# Altium PCB ir-24v-shit5-7.PcbDoc (part 4 of 6)
Units mm, origin at the board's own origin, x right, y up, seen from the top; angles counter-clockwise.
Board outline 326.8 x 258 mm, 2 copper layers (Top Layer, Bottom Layer); 1190 components, 31 nets, 3220 pads, 0 vias.
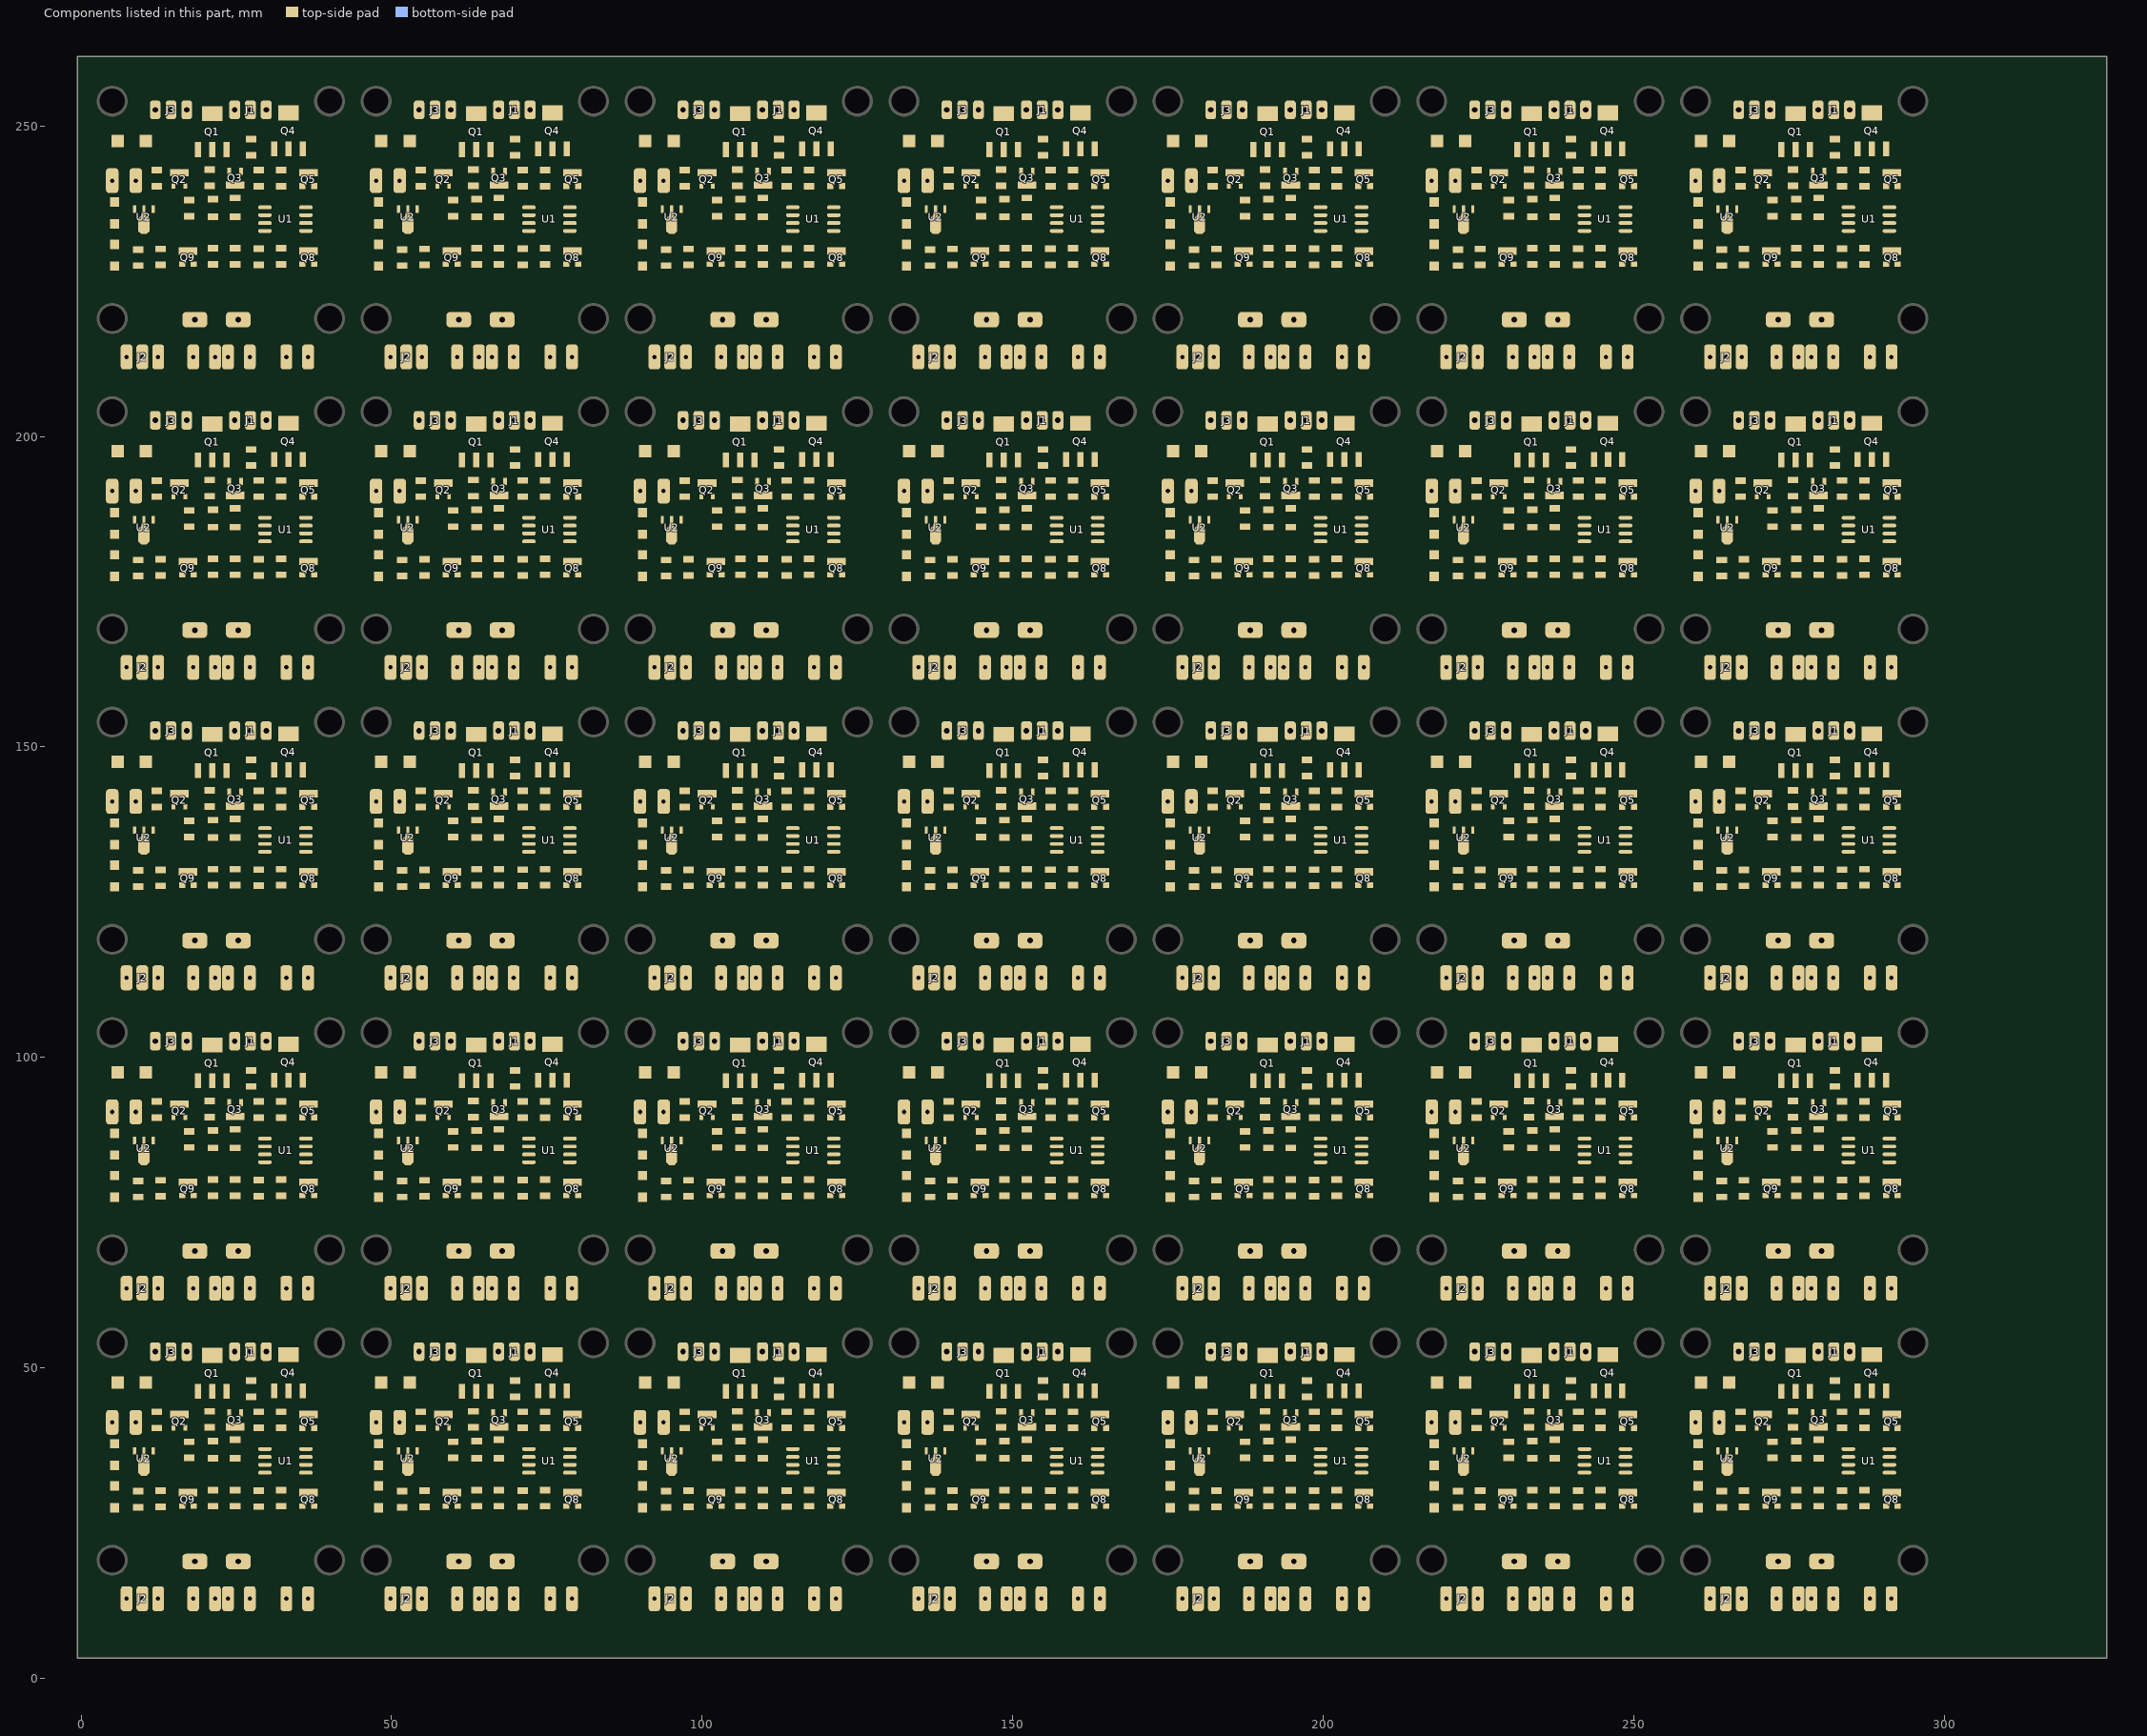
[diagram p4: the components of this part, seen from the top]

## Nets (pads, with @x,y where several pads share a name; then routed paths per layer and width w, separated by ;. In a path a pad name is that pad's centre, name@x,y a point inside that pad or via, vN(x,y) a via of type N, cw(c..) or ccw(c..) an arc to the next point about the centre after c; other vN are vias at no path point) (continued)
copper on no net: (continued)
  Top Layer w0.6: 188.05,62.6 188.627,63.177 188.627,65.027 190.2,66.6 197.8,66.6 199,67.8 199,71.249 198.649,71.6 193.4,71.6 191.4,73.6 191.4,77.808 ; 188.05,112.6 188.627,113.177 188.627,115.027 190.2,116.6 197.8,116.6 199,117.8 199,121.249 198.649,121.6 193.4,121.6 191.4,123.6 191.4,127.808 ; 188.05,162.6 188.627,163.177 188.627,165.027 190.2,166.6 197.8,166.6 199,167.8 199,171.249 198.649,171.6 193.4,171.6 191.4,173.6 191.4,177.808 ; 188.05,212.6 188.627,213.177 188.627,215.027 190.2,216.6 197.8,216.6 199,217.8 199,221.249 198.649,221.6 193.4,221.6 191.4,223.6 191.4,227.808 ; 188.15,27.725 188.275,27.85 188.65,27.85 190.65,29.85 190.65,30.076 190.875,30.301 191.2,30.301 ; 188.15,77.725 188.275,77.85 188.65,77.85 190.65,79.85 190.65,80.076 190.875,80.301 191.2,80.301 ; 188.15,127.725 188.275,127.85 188.65,127.85 190.65,129.85 190.65,130.076 190.875,130.301 191.2,130.301 ; 188.15,177.725 188.275,177.85 188.65,177.85 190.65,179.85 190.65,180.076 190.875,180.301 191.2,180.301 ; 188.15,227.725 188.275,227.85 188.65,227.85 190.65,229.85 190.65,230.076 190.875,230.301 191.2,230.301 ; 188.425,27.525 188.098,27.199 188.098,24.302 193.072,19.328 194.372,19.328 195.3,18.4 ; 188.425,77.525 188.098,77.199 188.098,74.302 193.072,69.328 194.372,69.328 195.3,68.4 ; 188.425,127.525 188.098,127.199 188.098,124.302 193.072,119.328 194.372,119.328 195.3,118.4 ; 188.425,177.525 188.098,177.199 188.098,174.302 193.072,169.328 194.372,169.328 195.3,168.4 ; 188.425,227.525 188.098,227.199 188.098,224.302 193.072,219.328 194.372,219.328 195.3,218.4 ; 189,46.237 189,45.3 190.118,44.182 190.118,43.107 190.4,42.825 ; 189,96.237 189,95.3 190.118,94.182 190.118,93.107 190.4,92.825 ; 189,146.237 189,145.3 190.118,144.182 190.118,143.107 190.4,142.825 ; 189,196.237 189,195.3 190.118,194.182 190.118,193.107 190.4,192.825 ; 189,246.237 189,245.3 190.118,244.182 190.118,243.107 190.4,242.825 ; 193.4,46.4 194.8,46.4 195.963,47.563 198.062,47.563 ; 193.4,96.4 194.8,96.4 195.963,97.563 198.062,97.563 ; 193.4,146.4 194.8,146.4 195.963,147.563 198.062,147.563 ; 193.4,196.4 194.8,196.4 195.963,197.563 198.062,197.563 ; 193.4,246.4 194.8,246.4 195.963,247.563 198.062,247.563 ; 194.8,27.705 194.8,24 195.4,23.4 200.449,23.4 200.8,23.049 200.8,16.6 198.447,14.247 197.164,14.247 196.717,13.8 ; 194.8,38.4 195,38.6 195,40.275 194.8,40.475 ; 194.8,77.705 194.8,74 195.4,73.4 200.449,73.4 200.8,73.049 200.8,66.6 198.447,64.247 197.164,64.247 196.717,63.8 ; 194.8,88.4 195,88.6 195,90.275 194.8,90.475 ; 194.8,127.705 194.8,124 195.4,123.4 200.449,123.4 200.8,123.049 200.8,116.6 198.447,114.247 197.164,114.247 196.717,113.8 ; 194.8,138.4 195,138.6 195,140.275 194.8,140.475 ; 194.8,177.705 194.8,174 195.4,173.4 200.449,173.4 200.8,173.049 200.8,166.6 198.447,164.247 197.164,164.247 196.717,163.8 ; 194.8,188.4 195,188.6 195,190.275 194.8,190.475 ; 194.8,227.705 194.8,224 195.4,223.4 200.449,223.4 200.8,223.049 200.8,216.6 198.447,214.247 197.164,214.247 196.717,213.8 ; 194.8,238.4 195,238.6 195,240.275 194.8,240.475 ; 195.75,42.725 195.75,43 198.374,43 ; 195.75,92.725 195.75,93 198.374,93 ; 195.75,142.725 195.75,143 198.374,143 ; 195.75,192.725 195.75,193 198.374,193 ; 195.75,242.725 195.75,243 198.374,243 ; 198.587,27.624 198.587,26.124 198.939,25.772 203.622,25.772 205.45,27.6 205.45,27.725 ; 198.587,30.22 198.812,30.445 199.645,30.445 201.8,32.6 201.8,34.014 201.449,34.365 199.2,34.365 ; 198.587,77.624 198.587,76.124 198.939,75.772 203.622,75.772 205.45,77.6 205.45,77.725 ; 198.587,80.22 198.812,80.445 199.645,80.445 201.8,82.6 201.8,84.014 201.449,84.365 199.2,84.365 ; 198.587,127.624 198.587,126.124 198.939,125.772 203.622,125.772 205.45,127.6 205.45,127.725 ; 198.587,130.22 198.812,130.445 199.645,130.445 201.8,132.6 201.8,134.014 201.449,134.365 199.2,134.365 ; 198.587,177.624 198.587,176.124 198.939,175.772 203.622,175.772 205.45,177.6 205.45,177.725 ; 198.587,180.22 198.812,180.445 199.645,180.445 201.8,182.6 201.8,184.014 201.449,184.365 199.2,184.365 ; 198.587,227.624 198.587,226.124 198.939,225.772 203.622,225.772 205.45,227.6 205.45,227.725 ; 198.587,230.22 198.812,230.445 199.645,230.445 201.8,232.6 201.8,234.014 201.449,234.365 199.2,234.365 ; 217.5,27.45 217.95,27.9 218.4,27.9 220.601,30.101 221.7,30.101 222.001,30.101 225.5,33.6 225.5,35.4 ; 217.5,77.45 217.95,77.9 218.4,77.9 220.601,80.101 221.7,80.101 222.001,80.101 225.5,83.6 225.5,85.4 ; 217.5,127.45 217.95,127.9 218.4,127.9 220.601,130.101 221.7,130.101 222.001,130.101 225.5,133.6 225.5,135.4 ; 217.5,177.45 217.95,177.9 218.4,177.9 220.601,180.101 221.7,180.101 222.001,180.101 225.5,183.6 225.5,185.4 ; 217.5,227.45 217.95,227.9 218.4,227.9 220.601,230.101 221.7,230.101 222.001,230.101 225.5,233.6 225.5,235.4 ; 224.217,36.283 225.1,35.4 225.5,35.4 ; 224.217,86.283 225.1,85.4 225.5,85.4 ; 224.217,136.283 225.1,135.4 225.5,135.4 ; 224.217,186.283 225.1,185.4 225.5,185.4 ; 224.217,236.283 225.1,235.4 225.5,235.4 ; 224.5,40.299 224.599,40.2 227.35,40.2 ; 224.5,52.585 224.5,55.649 224.851,56 248.549,56 248.9,55.649 248.9,49.751 248.549,49.4 242.9,49.4 241.401,47.901 239.9,47.901 ; 224.5,90.299 224.599,90.2 227.35,90.2 ; 224.5,102.585 224.5,105.649 224.851,106 248.549,106 248.9,105.649 248.9,99.751 248.549,99.4 242.9,99.4 241.401,97.901 239.9,97.901 ; 224.5,140.299 224.599,140.2 227.35,140.2 ; 224.5,152.585 224.5,155.649 224.851,156 248.549,156 248.9,155.649 248.9,149.751 248.549,149.4 242.9,149.4 241.401,147.901 239.9,147.901 ; 224.5,190.299 224.599,190.2 227.35,190.2 ; 224.5,202.585 224.5,205.649 224.851,206 248.549,206 248.9,205.649 248.9,199.751 248.549,199.4 242.9,199.4 241.401,197.901 239.9,197.901 ; 224.5,240.299 224.599,240.2 227.35,240.2 ; 224.5,252.585 224.5,255.649 224.851,256 248.549,256 248.9,255.649 248.9,249.751 248.549,249.4 242.9,249.4 241.401,247.901 239.9,247.901 ; 224.849,13.96 224.849,19.451 223.5,20.8 223.5,28.624 223.851,28.975 226.675,28.975 227.1,29.4 227.1,30.8 229.1,32.8 240.605,32.8 240.9,33.095 241.7,33.095 ; 224.849,63.96 224.849,69.451 223.5,70.8 223.5,78.624 223.851,78.975 226.675,78.975 227.1,79.4 227.1,80.8 229.1,82.8 240.605,82.8 240.9,83.095 241.7,83.095 ; 224.849,113.96 224.849,119.451 223.5,120.8 223.5,128.624 223.851,128.975 226.675,128.975 227.1,129.4 227.1,130.8 229.1,132.8 240.605,132.8 240.9,133.095 241.7,133.095 ; 224.849,163.96 224.849,169.451 223.5,170.8 223.5,178.624 223.851,178.975 226.675,178.975 227.1,179.4 227.1,180.8 229.1,182.8 240.605,182.8 240.9,183.095 241.7,183.095 ; 224.849,213.96 224.849,219.451 223.5,220.8 223.5,228.624 223.851,228.975 226.675,228.975 227.1,229.4 227.1,230.8 229.1,232.8 240.605,232.8 240.9,233.095 241.7,233.095 ; 225.08,30.15 225.25,30.32 225.25,31.35 227.9,34 239.3,34 240.935,35.635 241.7,35.635 ; 225.08,80.15 225.25,80.32 225.25,81.35 227.9,84 239.3,84 240.935,85.635 241.7,85.635 ; 225.08,130.15 225.25,130.32 225.25,131.35 227.9,134 239.3,134 240.935,135.635 241.7,135.635 ; 225.08,180.15 225.25,180.32 225.25,181.35 227.9,184 239.3,184 240.935,185.635 241.7,185.635 ; 225.08,230.15 225.25,230.32 225.25,231.35 227.9,234 239.3,234 240.935,235.635 241.7,235.635 ; 225.1,42.97 225.25,43.12 225.25,43.35 226.138,44.238 230.262,44.238 231.1,43.4 231.1,42.4 231.824,41.676 234.976,41.676 235.75,42.45 236.35,42.45 236.35,42.888 ; 225.1,92.97 225.25,93.12 225.25,93.35 226.138,94.238 230.262,94.238 231.1,93.4 231.1,92.4 231.824,91.676 234.976,91.676 235.75,92.45 236.35,92.45 236.35,92.888 ; 225.1,142.97 225.25,143.12 225.25,143.35 226.138,144.238 230.262,144.238 231.1,143.4 231.1,142.4 231.824,141.676 234.976,141.676 235.75,142.45 236.35,142.45 236.35,142.888 ; 225.1,192.97 225.25,193.12 225.25,193.35 226.138,194.238 230.262,194.238 231.1,193.4 231.1,192.4 231.824,191.676 234.976,191.676 235.75,192.45 236.35,192.45 236.35,192.888 ; 225.1,242.97 225.25,243.12 225.25,243.35 226.138,244.238 230.262,244.238 231.1,243.4 231.1,242.4 231.824,241.676 234.976,241.676 235.75,242.45 236.35,242.45 236.35,242.888 ; 225.135,27.725 228.75,27.725 ; 225.135,77.725 228.75,77.725 ; 225.135,127.725 228.75,127.725 ; 225.135,177.725 228.75,177.725 ; 225.135,227.725 228.75,227.725 ; 227.9,42.475 228.2,42.175 229.725,42.175 231.595,40.305 232.3,40.305 ; 227.9,92.475 228.2,92.175 229.725,92.175 231.595,90.305 232.3,90.305 ; 227.9,142.475 228.2,142.175 229.725,142.175 231.595,140.305 232.3,140.305 ; 227.9,192.475 228.2,192.175 229.725,192.175 231.595,190.305 232.3,190.305 ; 227.9,242.475 228.2,242.175 229.725,242.175 231.595,240.305 232.3,240.305 ; 229.7,29.875 229.7,31.2 230.3,31.8 235.801,31.8 236.75,30.851 236.75,30.526 236.975,30.301 237.3,30.301 237.625,30.301 237.85,30.076 237.85,30.05 238.976,28.924 243.024,28.924 244.15,30.05 244.15,30.076 244.375,30.301 244.7,30.301 245.025,30.301 245.25,30.526 245.25,30.851 245.5,31.101 245.5,34.6 243.195,36.905 242.1,36.905 240.605,36.905 239.1,35.4 237.3,35.4 233.7,35.4 233.626,35.474 229.9,35.474 ; 229.7,79.875 229.7,81.2 230.3,81.8 235.801,81.8 236.75,80.851 236.75,80.526 236.975,80.301 237.3,80.301 237.625,80.301 237.85,80.076 237.85,80.05 238.976,78.924 243.024,78.924 244.15,80.05 244.15,80.076 244.375,80.301 244.7,80.301 245.025,80.301 245.25,80.526 245.25,80.851 245.5,81.101 245.5,84.6 243.195,86.905 242.1,86.905 240.605,86.905 239.1,85.4 237.3,85.4 233.7,85.4 233.626,85.474 229.9,85.474 ; 229.7,129.875 229.7,131.2 230.3,131.8 235.801,131.8 236.75,130.851 236.75,130.526 236.975,130.301 237.3,130.301 237.625,130.301 237.85,130.076 237.85,130.05 238.976,128.924 243.024,128.924 244.15,130.05 244.15,130.076 244.375,130.301 244.7,130.301 245.025,130.301 245.25,130.526 245.25,130.851 245.5,131.101 245.5,134.6 243.195,136.905 242.1,136.905 240.605,136.905 239.1,135.4 237.3,135.4 233.7,135.4 233.626,135.474 229.9,135.474 ; 229.7,179.875 229.7,181.2 230.3,181.8 235.801,181.8 236.75,180.851 236.75,180.526 236.975,180.301 237.3,180.301 237.625,180.301 237.85,180.076 237.85,180.05 238.976,178.924 243.024,178.924 244.15,180.05 244.15,180.076 244.375,180.301 244.7,180.301 245.025,180.301 245.25,180.526 245.25,180.851 245.5,181.101 245.5,184.6 243.195,186.905 242.1,186.905 240.605,186.905 239.1,185.4 237.3,185.4 233.7,185.4 233.626,185.474 229.9,185.474 ; 229.7,229.875 229.7,231.2 230.3,231.8 235.801,231.8 236.75,230.851 236.75,230.526 236.975,230.301 237.3,230.301 237.625,230.301 237.85,230.076 237.85,230.05 238.976,228.924 243.024,228.924 244.15,230.05 244.15,230.076 244.375,230.301 244.7,230.301 245.025,230.301 245.25,230.526 245.25,230.851 245.5,231.101 245.5,234.6 243.195,236.905 242.1,236.905 240.605,236.905 239.1,235.4 237.3,235.4 233.7,235.4 233.626,235.474 229.9,235.474 ; 229.9,35.4 225.5,35.4 ; 229.9,85.4 225.5,85.4 ; 229.9,135.4 225.5,135.4 ; 229.9,185.4 225.5,185.4 ; 229.9,235.4 225.5,235.4 ; 230.55,12.6 231.127,13.177 231.127,15.027 232.7,16.6 240.3,16.6 241.5,17.8 241.5,21.249 241.149,21.6 235.9,21.6 233.9,23.6 233.9,27.808 ; 230.55,62.6 231.127,63.177 231.127,65.027 232.7,66.6 240.3,66.6 241.5,67.8 241.5,71.249 241.149,71.6 235.9,71.6 233.9,73.6 233.9,77.808 ; 230.55,112.6 231.127,113.177 231.127,115.027 232.7,116.6 240.3,116.6 241.5,117.8 241.5,121.249 241.149,121.6 235.9,121.6 233.9,123.6 233.9,127.808 ; 230.55,162.6 231.127,163.177 231.127,165.027 232.7,166.6 240.3,166.6 241.5,167.8 241.5,171.249 241.149,171.6 235.9,171.6 233.9,173.6 233.9,177.808 ; 230.55,212.6 231.127,213.177 231.127,215.027 232.7,216.6 240.3,216.6 241.5,217.8 241.5,221.249 241.149,221.6 235.9,221.6 233.9,223.6 233.9,227.808 ; 230.65,27.725 230.775,27.85 231.15,27.85 233.15,29.85 233.15,30.076 233.375,30.301 233.7,30.301 ; 230.65,77.725 230.775,77.85 231.15,77.85 233.15,79.85 233.15,80.076 233.375,80.301 233.7,80.301 ; 230.65,127.725 230.775,127.85 231.15,127.85 233.15,129.85 233.15,130.076 233.375,130.301 233.7,130.301 ; 230.65,177.725 230.775,177.85 231.15,177.85 233.15,179.85 233.15,180.076 233.375,180.301 233.7,180.301 ; 230.65,227.725 230.775,227.85 231.15,227.85 233.15,229.85 233.15,230.076 233.375,230.301 233.7,230.301 ; 230.925,27.525 230.598,27.199 230.598,24.302 235.572,19.328 236.872,19.328 237.8,18.4 ; 230.925,77.525 230.598,77.199 230.598,74.302 235.572,69.328 236.872,69.328 237.8,68.4 ; 230.925,127.525 230.598,127.199 230.598,124.302 235.572,119.328 236.872,119.328 237.8,118.4 ; 230.925,177.525 230.598,177.199 230.598,174.302 235.572,169.328 236.872,169.328 237.8,168.4 ; 230.925,227.525 230.598,227.199 230.598,224.302 235.572,219.328 236.872,219.328 237.8,218.4 ; 231.5,46.237 231.5,45.3 232.618,44.182 232.618,43.107 232.9,42.825 ; 231.5,96.237 231.5,95.3 232.618,94.182 232.618,93.107 232.9,92.825 ; 231.5,146.237 231.5,145.3 232.618,144.182 232.618,143.107 232.9,142.825 ; 231.5,196.237 231.5,195.3 232.618,194.182 232.618,193.107 232.9,192.825 ; 231.5,246.237 231.5,245.3 232.618,244.182 232.618,243.107 232.9,242.825 ; 235.9,46.4 237.3,46.4 238.463,47.563 240.562,47.563 ; 235.9,96.4 237.3,96.4 238.463,97.563 240.562,97.563 ; 235.9,146.4 237.3,146.4 238.463,147.563 240.562,147.563 ; 235.9,196.4 237.3,196.4 238.463,197.563 240.562,197.563 ; 235.9,246.4 237.3,246.4 238.463,247.563 240.562,247.563 ; 237.3,27.705 237.3,24 237.9,23.4 242.949,23.4 243.3,23.049 243.3,16.6 240.947,14.247 239.664,14.247 239.217,13.8 ; 237.3,38.4 237.5,38.6 237.5,40.275 237.3,40.475 ; 237.3,77.705 237.3,74 237.9,73.4 242.949,73.4 243.3,73.049 243.3,66.6 240.947,64.247 239.664,64.247 239.217,63.8 ; 237.3,88.4 237.5,88.6 237.5,90.275 237.3,90.475 ; 237.3,127.705 237.3,124 237.9,123.4 242.949,123.4 243.3,123.049 243.3,116.6 240.947,114.247 239.664,114.247 239.217,113.8 ; 237.3,138.4 237.5,138.6 237.5,140.275 237.3,140.475 ; 237.3,177.705 237.3,174 237.9,173.4 242.949,173.4 243.3,173.049 243.3,166.6 240.947,164.247 239.664,164.247 239.217,163.8 ; 237.3,188.4 237.5,188.6 237.5,190.275 237.3,190.475 ; 237.3,227.705 237.3,224 237.9,223.4 242.949,223.4 243.3,223.049 243.3,216.6 240.947,214.247 239.664,214.247 239.217,213.8 ; 237.3,238.4 237.5,238.6 237.5,240.275 237.3,240.475 ; 238.25,42.725 238.25,43 240.874,43 ; 238.25,92.725 238.25,93 240.874,93 ; 238.25,142.725 238.25,143 240.874,143 ; 238.25,192.725 238.25,193 240.874,193 ; 238.25,242.725 238.25,243 240.874,243 ; 241.087,27.624 241.087,26.124 241.439,25.772 246.122,25.772 247.95,27.6 247.95,27.725 ; 241.087,30.22 241.312,30.445 242.145,30.445 244.3,32.6 244.3,34.014 243.949,34.365 241.7,34.365 ; 241.087,77.624 241.087,76.124 241.439,75.772 246.122,75.772 247.95,77.6 247.95,77.725 ; 241.087,80.22 241.312,80.445 242.145,80.445 244.3,82.6 244.3,84.014 243.949,84.365 241.7,84.365 ; 241.087,127.624 241.087,126.124 241.439,125.772 246.122,125.772 247.95,127.6 247.95,127.725 ; 241.087,130.22 241.312,130.445 242.145,130.445 244.3,132.6 244.3,134.014 243.949,134.365 241.7,134.365 ; 241.087,177.624 241.087,176.124 241.439,175.772 246.122,175.772 247.95,177.6 247.95,177.725 ; 241.087,180.22 241.312,180.445 242.145,180.445 244.3,182.6 244.3,184.014 243.949,184.365 241.7,184.365 ; 241.087,227.624 241.087,226.124 241.439,225.772 246.122,225.772 247.95,227.6 247.95,227.725 ; 241.087,230.22 241.312,230.445 242.145,230.445 244.3,232.6 244.3,234.014 243.949,234.365 241.7,234.365 ; 260,27.45 260.45,27.9 260.9,27.9 263.101,30.101 264.2,30.101 264.501,30.101 268,33.6 268,35.4 ; 260,77.45 260.45,77.9 260.9,77.9 263.101,80.101 264.2,80.101 264.501,80.101 268,83.6 268,85.4 ; 260,127.45 260.45,127.9 260.9,127.9 263.101,130.101 264.2,130.101 264.501,130.101 268,133.6 268,135.4 ; 260,177.45 260.45,177.9 260.9,177.9 263.101,180.101 264.2,180.101 264.501,180.101 268,183.6 268,185.4 ; 260,227.45 260.45,227.9 260.9,227.9 263.101,230.101 264.2,230.101 264.501,230.101 268,233.6 268,235.4 ; 266.717,36.283 267.6,35.4 268,35.4 ; 266.717,86.283 267.6,85.4 268,85.4 ; 266.717,136.283 267.6,135.4 268,135.4 ; 266.717,186.283 267.6,185.4 268,185.4 ; 266.717,236.283 267.6,235.4 268,235.4 ; 267,40.299 267.099,40.2 269.85,40.2 ; 267,52.585 267,55.649 267.351,56 291.049,56 291.4,55.649 291.4,49.751 291.049,49.4 285.4,49.4 283.901,47.901 282.4,47.901 ; 267,90.299 267.099,90.2 269.85,90.2 ; 267,102.585 267,105.649 267.351,106 291.049,106 291.4,105.649 291.4,99.751 291.049,99.4 285.4,99.4 283.901,97.901 282.4,97.901 ; 267,140.299 267.099,140.2 269.85,140.2 ; 267,152.585 267,155.649 267.351,156 291.049,156 291.4,155.649 291.4,149.751 291.049,149.4 285.4,149.4 283.901,147.901 282.4,147.901 ; 267,190.299 267.099,190.2 269.85,190.2 ; 267,202.585 267,205.649 267.351,206 291.049,206 291.4,205.649 291.4,199.751 291.049,199.4 285.4,199.4 283.901,197.901 282.4,197.901 ; 267,240.299 267.099,240.2 269.85,240.2 ; 267,252.585 267,255.649 267.351,256 291.049,256 291.4,255.649 291.4,249.751 291.049,249.4 285.4,249.4 283.901,247.901 282.4,247.901 ; 267.349,13.96 267.349,19.451 266,20.8 266,28.624 266.351,28.975 269.175,28.975 269.6,29.4 269.6,30.8 271.6,32.8 283.105,32.8 283.4,33.095 284.2,33.095 ; 267.349,63.96 267.349,69.451 266,70.8 266,78.624 266.351,78.975 269.175,78.975 269.6,79.4 269.6,80.8 271.6,82.8 283.105,82.8 283.4,83.095 284.2,83.095 ; 267.349,113.96 267.349,119.451 266,120.8 266,128.624 266.351,128.975 269.175,128.975 269.6,129.4 269.6,130.8 271.6,132.8 283.105,132.8 283.4,133.095 284.2,133.095 ; 267.349,163.96 267.349,169.451 266,170.8 266,178.624 266.351,178.975 269.175,178.975 269.6,179.4 269.6,180.8 271.6,182.8 283.105,182.8 283.4,183.095 284.2,183.095 ; 267.349,213.96 267.349,219.451 266,220.8 266,228.624 266.351,228.975 269.175,228.975 269.6,229.4 269.6,230.8 271.6,232.8 283.105,232.8 283.4,233.095 284.2,233.095 ; 267.58,30.15 267.75,30.32 267.75,31.35 270.4,34 281.8,34 283.435,35.635 284.2,35.635 ; 267.58,80.15 267.75,80.32 267.75,81.35 270.4,84 281.8,84 283.435,85.635 284.2,85.635 ; 267.58,130.15 267.75,130.32 267.75,131.35 270.4,134 281.8,134 283.435,135.635 284.2,135.635 ; 267.58,180.15 267.75,180.32 267.75,181.35 270.4,184 281.8,184 283.435,185.635 284.2,185.635 ; 267.58,230.15 267.75,230.32 267.75,231.35 270.4,234 281.8,234 283.435,235.635 284.2,235.635 ; 267.6,42.97 267.75,43.12 267.75,43.35 268.638,44.238 272.762,44.238 273.6,43.4 273.6,42.4 274.324,41.676 277.476,41.676 278.25,42.45 278.85,42.45 278.85,42.888 ; 267.6,92.97 267.75,93.12 267.75,93.35 268.638,94.238 272.762,94.238 273.6,93.4 273.6,92.4 274.324,91.676 277.476,91.676 278.25,92.45 278.85,92.45 278.85,92.888 ; 267.6,142.97 267.75,143.12 267.75,143.35 268.638,144.238 272.762,144.238 273.6,143.4 273.6,142.4 274.324,141.676 277.476,141.676 278.25,142.45 278.85,142.45 278.85,142.888 ; 267.6,192.97 267.75,193.12 267.75,193.35 268.638,194.238 272.762,194.238 273.6,193.4 273.6,192.4 274.324,191.676 277.476,191.676 278.25,192.45 278.85,192.45 278.85,192.888 ; 267.6,242.97 267.75,243.12 267.75,243.35 268.638,244.238 272.762,244.238 273.6,243.4 273.6,242.4 274.324,241.676 277.476,241.676 278.25,242.45 278.85,242.45 278.85,242.888 ; 267.635,27.725 271.25,27.725 ; 267.635,77.725 271.25,77.725 ; 267.635,127.725 271.25,127.725 ; 267.635,177.725 271.25,177.725 ; 267.635,227.725 271.25,227.725 ; 270.4,42.475 270.7,42.175 272.225,42.175 274.095,40.305 274.8,40.305 ; 270.4,92.475 270.7,92.175 272.225,92.175 274.095,90.305 274.8,90.305 ; 270.4,142.475 270.7,142.175 272.225,142.175 274.095,140.305 274.8,140.305 ; 270.4,192.475 270.7,192.175 272.225,192.175 274.095,190.305 274.8,190.305 ; 270.4,242.475 270.7,242.175 272.225,242.175 274.095,240.305 274.8,240.305 ; 272.2,29.875 272.2,31.2 272.8,31.8 278.301,31.8 279.25,30.851 279.25,30.526 279.475,30.301 279.8,30.301 280.125,30.301 280.35,30.076 280.35,30.05 281.476,28.924 285.524,28.924 286.65,30.05 286.65,30.076 286.875,30.301 287.2,30.301 287.525,30.301 287.75,30.526 287.75,30.851 288,31.101 288,34.6 285.695,36.905 284.6,36.905 283.105,36.905 281.6,35.4 279.8,35.4 276.2,35.4 276.126,35.474 272.4,35.474 ; 272.2,79.875 272.2,81.2 272.8,81.8 278.301,81.8 279.25,80.851 279.25,80.526 279.475,80.301 279.8,80.301 280.125,80.301 280.35,80.076 280.35,80.05 281.476,78.924 285.524,78.924 286.65,80.05 286.65,80.076 286.875,80.301 287.2,80.301 287.525,80.301 287.75,80.526 287.75,80.851 288,81.101 288,84.6 285.695,86.905 284.6,86.905 283.105,86.905 281.6,85.4 279.8,85.4 276.2,85.4 276.126,85.474 272.4,85.474 ; 272.2,129.875 272.2,131.2 272.8,131.8 278.301,131.8 279.25,130.851 279.25,130.526 279.475,130.301 279.8,130.301 280.125,130.301 280.35,130.076 280.35,130.05 281.476,128.924 285.524,128.924 286.65,130.05 286.65,130.076 286.875,130.301 287.2,130.301 287.525,130.301 287.75,130.526 287.75,130.851 288,131.101 288,134.6 285.695,136.905 284.6,136.905 283.105,136.905 281.6,135.4 279.8,135.4 276.2,135.4 276.126,135.474 272.4,135.474 ; 272.2,179.875 272.2,181.2 272.8,181.8 278.301,181.8 279.25,180.851 279.25,180.526 279.475,180.301 279.8,180.301 280.125,180.301 280.35,180.076 280.35,180.05 281.476,178.924 285.524,178.924 286.65,180.05 286.65,180.076 286.875,180.301 287.2,180.301 287.525,180.301 287.75,180.526 287.75,180.851 288,181.101 288,184.6 285.695,186.905 284.6,186.905 283.105,186.905 281.6,185.4 279.8,185.4 276.2,185.4 276.126,185.474 272.4,185.474 ; 272.2,229.875 272.2,231.2 272.8,231.8 278.301,231.8 279.25,230.851 279.25,230.526 279.475,230.301 279.8,230.301 280.125,230.301 280.35,230.076 280.35,230.05 281.476,228.924 285.524,228.924 286.65,230.05 286.65,230.076 286.875,230.301 287.2,230.301 287.525,230.301 287.75,230.526 287.75,230.851 288,231.101 288,234.6 285.695,236.905 284.6,236.905 283.105,236.905 281.6,235.4 279.8,235.4 276.2,235.4 276.126,235.474 272.4,235.474 ; 272.4,35.4 268,35.4 ; 272.4,85.4 268,85.4 ; 272.4,135.4 268,135.4 ; 272.4,185.4 268,185.4 ; 272.4,235.4 268,235.4 ; 273.05,12.6 273.627,13.177 273.627,15.027 275.2,16.6 282.8,16.6 284,17.8 284,21.249 283.649,21.6 278.4,21.6 276.4,23.6 276.4,27.808 ; 273.05,62.6 273.627,63.177 273.627,65.027 275.2,66.6 282.8,66.6 284,67.8 284,71.249 283.649,71.6 278.4,71.6 276.4,73.6 276.4,77.808 ; 273.05,112.6 273.627,113.177 273.627,115.027 275.2,116.6 282.8,116.6 284,117.8 284,121.249 283.649,121.6 278.4,121.6 276.4,123.6 276.4,127.808 ; 273.05,162.6 273.627,163.177 273.627,165.027 275.2,166.6 282.8,166.6 284,167.8 284,171.249 283.649,171.6 278.4,171.6 276.4,173.6 276.4,177.808 ; 273.05,212.6 273.627,213.177 273.627,215.027 275.2,216.6 282.8,216.6 284,217.8 284,221.249 283.649,221.6 278.4,221.6 276.4,223.6 276.4,227.808 ; 273.15,27.725 273.275,27.85 273.65,27.85 275.65,29.85 275.65,30.076 275.875,30.301 276.2,30.301 ; 273.15,77.725 273.275,77.85 273.65,77.85 275.65,79.85 275.65,80.076 275.875,80.301 276.2,80.301 ; 273.15,127.725 273.275,127.85 273.65,127.85 275.65,129.85 275.65,130.076 275.875,130.301 276.2,130.301 ; 273.15,177.725 273.275,177.85 273.65,177.85 275.65,179.85 275.65,180.076 275.875,180.301 276.2,180.301 ; 273.15,227.725 273.275,227.85 273.65,227.85 275.65,229.85 275.65,230.076 275.875,230.301 276.2,230.301 ; 273.425,27.525 273.098,27.199 273.098,24.302 278.072,19.328 279.372,19.328 280.3,18.4 ; 273.425,77.525 273.098,77.199 273.098,74.302 278.072,69.328 279.372,69.328 280.3,68.4 ; 273.425,127.525 273.098,127.199 273.098,124.302 278.072,119.328 279.372,119.328 280.3,118.4 ; 273.425,177.525 273.098,177.199 273.098,174.302 278.072,169.328 279.372,169.328 280.3,168.4 ; 273.425,227.525 273.098,227.199 273.098,224.302 278.072,219.328 279.372,219.328 280.3,218.4 ; 274,46.237 274,45.3 275.118,44.182 275.118,43.107 275.4,42.825 ; 274,96.237 274,95.3 275.118,94.182 275.118,93.107 275.4,92.825 ; 274,146.237 274,145.3 275.118,144.182 275.118,143.107 275.4,142.825 ; 274,196.237 274,195.3 275.118,194.182 275.118,193.107 275.4,192.825 ; 274,246.237 274,245.3 275.118,244.182 275.118,243.107 275.4,242.825 ; 278.4,46.4 279.8,46.4 280.963,47.563 283.063,47.563 ; 278.4,96.4 279.8,96.4 280.963,97.563 283.063,97.563 ; 278.4,146.4 279.8,146.4 280.963,147.563 283.063,147.563 ; 278.4,196.4 279.8,196.4 280.963,197.563 283.063,197.563 ; 278.4,246.4 279.8,246.4 280.963,247.563 283.063,247.563 ; 279.8,27.705 279.8,24 280.4,23.4 285.449,23.4 285.8,23.049 285.8,16.6 283.447,14.247 282.164,14.247 281.717,13.8 ; 279.8,38.4 280,38.6 280,40.275 279.8,40.475 ; 279.8,77.705 279.8,74 280.4,73.4 285.449,73.4 285.8,73.049 285.8,66.6 283.447,64.247 282.164,64.247 281.717,63.8 ; 279.8,88.4 280,88.6 280,90.275 279.8,90.475 ; 279.8,127.705 279.8,124 280.4,123.4 285.449,123.4 285.8,123.049 285.8,116.6 283.447,114.247 282.164,114.247 281.717,113.8 ; 279.8,138.4 280,138.6 280,140.275 279.8,140.475 ; 279.8,177.705 279.8,174 280.4,173.4 285.449,173.4 285.8,173.049 285.8,166.6 283.447,164.247 282.164,164.247 281.717,163.8 ; 279.8,188.4 280,188.6 280,190.275 279.8,190.475 ; 279.8,227.705 279.8,224 280.4,223.4 285.449,223.4 285.8,223.049 285.8,216.6 283.447,214.247 282.164,214.247 281.717,213.8 ; 279.8,238.4 280,238.6 280,240.275 279.8,240.475 ; 280.75,42.725 280.75,43 283.374,43 ; 280.75,92.725 280.75,93 283.374,93 ; 280.75,142.725 280.75,143 283.374,143 ; 280.75,192.725 280.75,193 283.374,193 ; 280.75,242.725 280.75,243 283.374,243 ; 283.587,27.624 283.587,26.124 283.939,25.772 288.622,25.772 290.45,27.6 290.45,27.725 ; 283.587,30.22 283.812,30.445 284.645,30.445 286.8,32.6 286.8,34.014 286.449,34.365 284.2,34.365 ; 283.587,77.624 283.587,76.124 283.939,75.772 288.622,75.772 290.45,77.6 290.45,77.725 ; 283.587,80.22 283.812,80.445 284.645,80.445 286.8,82.6 286.8,84.014 286.449,84.365 284.2,84.365 ; 283.587,127.624 283.587,126.124 283.939,125.772 288.622,125.772 290.45,127.6 290.45,127.725 ; 283.587,130.22 283.812,130.445 284.645,130.445 286.8,132.6 286.8,134.014 286.449,134.365 284.2,134.365 ; 283.587,177.624 283.587,176.124 283.939,175.772 288.622,175.772 290.45,177.6 290.45,177.725 ; 283.587,180.22 283.812,180.445 284.645,180.445 286.8,182.6 286.8,184.014 286.449,184.365 284.2,184.365 ; 283.587,227.624 283.587,226.124 283.939,225.772 288.622,225.772 290.45,227.6 290.45,227.725 ; 283.587,230.22 283.812,230.445 284.645,230.445 286.8,232.6 286.8,234.014 286.449,234.365 284.2,234.365
  Top Layer w0.7: 7.52,13.4 7.801,13.681 7.801,16.401 8.6,17.2 8.6,26.905 ; 7.52,63.4 7.801,63.681 7.801,66.401 8.6,67.2 8.6,76.905 ; 7.52,113.4 7.801,113.681 7.801,116.401 8.6,117.2 8.6,126.905 ; 7.52,163.4 7.801,163.681 7.801,166.401 8.6,167.2 8.6,176.905 ; 7.52,213.4 7.801,213.681 7.801,216.401 8.6,217.2 8.6,226.905 ; 8.6,27.167 8.6,26.905 ; 8.6,77.167 8.6,76.905 ; 8.6,127.167 8.6,126.905 ; 8.6,177.167 8.6,176.905 ; 8.6,227.167 8.6,226.905 ; 9.2,27.505 8.875,27.505 8.7,27.33 8.7,27.005 8.6,26.905 ; 9.2,77.505 8.875,77.505 8.7,77.33 8.7,77.005 8.6,76.905 ; 9.2,127.505 8.875,127.505 8.7,127.33 8.7,127.005 8.6,126.905 ; 9.2,177.505 8.875,177.505 8.7,177.33 8.7,177.005 8.6,176.905 ; 9.2,227.505 8.875,227.505 8.7,227.33 8.7,227.005 8.6,226.905 ; 28.4,40.2 31.2,40.2 32.6,40.2 34.2,38.6 37.84,38.6 38.25,38.19 38.25,36.045 37.84,35.635 36,35.635 ; 28.4,90.2 31.2,90.2 32.6,90.2 34.2,88.6 37.84,88.6 38.25,88.19 38.25,86.045 37.84,85.635 36,85.635 ; 28.4,140.2 31.2,140.2 32.6,140.2 34.2,138.6 37.84,138.6 38.25,138.19 38.25,136.045 37.84,135.635 36,135.635 ; 28.4,190.2 31.2,190.2 32.6,190.2 34.2,188.6 37.84,188.6 38.25,188.19 38.25,186.045 37.84,185.635 36,185.635 ; 28.4,240.2 31.2,240.2 32.6,240.2 34.2,238.6 37.84,238.6 38.25,238.19 38.25,236.045 37.84,235.635 36,235.635 ; 50.02,13.4 50.301,13.681 50.301,16.401 51.1,17.2 51.1,26.905 ; 50.02,63.4 50.301,63.681 50.301,66.401 51.1,67.2 51.1,76.905 ; 50.02,113.4 50.301,113.681 50.301,116.401 51.1,117.2 51.1,126.905 ; 50.02,163.4 50.301,163.681 50.301,166.401 51.1,167.2 51.1,176.905 ; 50.02,213.4 50.301,213.681 50.301,216.401 51.1,217.2 51.1,226.905 ; 51.1,27.167 51.1,26.905 ; 51.1,77.167 51.1,76.905 ; 51.1,127.167 51.1,126.905 ; 51.1,177.167 51.1,176.905 ; 51.1,227.167 51.1,226.905 ; 51.7,27.505 51.375,27.505 51.2,27.33 51.2,27.005 51.1,26.905 ; 51.7,77.505 51.375,77.505 51.2,77.33 51.2,77.005 51.1,76.905 ; 51.7,127.505 51.375,127.505 51.2,127.33 51.2,127.005 51.1,126.905 ; 51.7,177.505 51.375,177.505 51.2,177.33 51.2,177.005 51.1,176.905 ; 51.7,227.505 51.375,227.505 51.2,227.33 51.2,227.005 51.1,226.905 ; 70.9,40.2 73.7,40.2 75.1,40.2 76.7,38.6 80.34,38.6 80.75,38.19 80.75,36.045 80.34,35.635 78.5,35.635 ; 70.9,90.2 73.7,90.2 75.1,90.2 76.7,88.6 80.34,88.6 80.75,88.19 80.75,86.045 80.34,85.635 78.5,85.635 ; 70.9,140.2 73.7,140.2 75.1,140.2 76.7,138.6 80.34,138.6 80.75,138.19 80.75,136.045 80.34,135.635 78.5,135.635 ; 70.9,190.2 73.7,190.2 75.1,190.2 76.7,188.6 80.34,188.6 80.75,188.19 80.75,186.045 80.34,185.635 78.5,185.635 ; 70.9,240.2 73.7,240.2 75.1,240.2 76.7,238.6 80.34,238.6 80.75,238.19 80.75,236.045 80.34,235.635 78.5,235.635 ; 92.52,13.4 92.801,13.681 92.801,16.401 93.6,17.2 93.6,26.905 ; 92.52,63.4 92.801,63.681 92.801,66.401 93.6,67.2 93.6,76.905 ; 92.52,113.4 92.801,113.681 92.801,116.401 93.6,117.2 93.6,126.905 ; 92.52,163.4 92.801,163.681 92.801,166.401 93.6,167.2 93.6,176.905 ; 92.52,213.4 92.801,213.681 92.801,216.401 93.6,217.2 93.6,226.905 ; 93.6,27.167 93.6,26.905 ; 93.6,77.167 93.6,76.905 ; 93.6,127.167 93.6,126.905 ; 93.6,177.167 93.6,176.905 ; 93.6,227.167 93.6,226.905 ; 94.2,27.505 93.875,27.505 93.7,27.33 93.7,27.005 93.6,26.905 ; 94.2,77.505 93.875,77.505 93.7,77.33 93.7,77.005 93.6,76.905 ; 94.2,127.505 93.875,127.505 93.7,127.33 93.7,127.005 93.6,126.905 ; 94.2,177.505 93.875,177.505 93.7,177.33 93.7,177.005 93.6,176.905 ; 94.2,227.505 93.875,227.505 93.7,227.33 93.7,227.005 93.6,226.905 ; 113.4,40.2 116.2,40.2 117.6,40.2 119.2,38.6 122.84,38.6 123.25,38.19 123.25,36.045 122.84,35.635 121,35.635 ; 113.4,90.2 116.2,90.2 117.6,90.2 119.2,88.6 122.84,88.6 123.25,88.19 123.25,86.045 122.84,85.635 121,85.635 ; 113.4,140.2 116.2,140.2 117.6,140.2 119.2,138.6 122.84,138.6 123.25,138.19 123.25,136.045 122.84,135.635 121,135.635 ; 113.4,190.2 116.2,190.2 117.6,190.2 119.2,188.6 122.84,188.6 123.25,188.19 123.25,186.045 122.84,185.635 121,185.635 ; 113.4,240.2 116.2,240.2 117.6,240.2 119.2,238.6 122.84,238.6 123.25,238.19 123.25,236.045 122.84,235.635 121,235.635 ; 135.02,13.4 135.301,13.681 135.301,16.401 136.1,17.2 136.1,26.905 ; 135.02,63.4 135.301,63.681 135.301,66.401 136.1,67.2 136.1,76.905 ; 135.02,113.4 135.301,113.681 135.301,116.401 136.1,117.2 136.1,126.905 ; 135.02,163.4 135.301,163.681 135.301,166.401 136.1,167.2 136.1,176.905 ; 135.02,213.4 135.301,213.681 135.301,216.401 136.1,217.2 136.1,226.905 ; 136.1,27.167 136.1,26.905 ; 136.1,77.167 136.1,76.905 ; 136.1,127.167 136.1,126.905 ; 136.1,177.167 136.1,176.905 ; 136.1,227.167 136.1,226.905 ; 136.7,27.505 136.375,27.505 136.2,27.33 136.2,27.005 136.1,26.905 ; 136.7,77.505 136.375,77.505 136.2,77.33 136.2,77.005 136.1,76.905 ; 136.7,127.505 136.375,127.505 136.2,127.33 136.2,127.005 136.1,126.905 ; 136.7,177.505 136.375,177.505 136.2,177.33 136.2,177.005 136.1,176.905 ; 136.7,227.505 136.375,227.505 136.2,227.33 136.2,227.005 136.1,226.905 ; 155.9,40.2 158.7,40.2 160.1,40.2 161.7,38.6 165.34,38.6 165.75,38.19 165.75,36.045 165.34,35.635 163.5,35.635 ; 155.9,90.2 158.7,90.2 160.1,90.2 161.7,88.6 165.34,88.6 165.75,88.19 165.75,86.045 165.34,85.635 163.5,85.635 ; 155.9,140.2 158.7,140.2 160.1,140.2 161.7,138.6 165.34,138.6 165.75,138.19 165.75,136.045 165.34,135.635 163.5,135.635 ; 155.9,190.2 158.7,190.2 160.1,190.2 161.7,188.6 165.34,188.6 165.75,188.19 165.75,186.045 165.34,185.635 163.5,185.635 ; 155.9,240.2 158.7,240.2 160.1,240.2 161.7,238.6 165.34,238.6 165.75,238.19 165.75,236.045 165.34,235.635 163.5,235.635 ; 177.52,13.4 177.801,13.681 177.801,16.401 178.6,17.2 178.6,26.905 ; 177.52,63.4 177.801,63.681 177.801,66.401 178.6,67.2 178.6,76.905 ; 177.52,113.4 177.801,113.681 177.801,116.401 178.6,117.2 178.6,126.905 ; 177.52,163.4 177.801,163.681 177.801,166.401 178.6,167.2 178.6,176.905 ; 177.52,213.4 177.801,213.681 177.801,216.401 178.6,217.2 178.6,226.905 ; 178.6,27.167 178.6,26.905 ; 178.6,77.167 178.6,76.905 ; 178.6,127.167 178.6,126.905 ; 178.6,177.167 178.6,176.905 ; 178.6,227.167 178.6,226.905 ; 179.2,27.505 178.875,27.505 178.7,27.33 178.7,27.005 178.6,26.905 ; 179.2,77.505 178.875,77.505 178.7,77.33 178.7,77.005 178.6,76.905 ; 179.2,127.505 178.875,127.505 178.7,127.33 178.7,127.005 178.6,126.905 ; 179.2,177.505 178.875,177.505 178.7,177.33 178.7,177.005 178.6,176.905 ; 179.2,227.505 178.875,227.505 178.7,227.33 178.7,227.005 178.6,226.905 ; 198.4,40.2 201.2,40.2 202.6,40.2 204.2,38.6 207.84,38.6 208.25,38.19 208.25,36.045 207.84,35.635 206,35.635 ; 198.4,90.2 201.2,90.2 202.6,90.2 204.2,88.6 207.84,88.6 208.25,88.19 208.25,86.045 207.84,85.635 206,85.635 ; 198.4,140.2 201.2,140.2 202.6,140.2 204.2,138.6 207.84,138.6 208.25,138.19 208.25,136.045 207.84,135.635 206,135.635 ; 198.4,190.2 201.2,190.2 202.6,190.2 204.2,188.6 207.84,188.6 208.25,188.19 208.25,186.045 207.84,185.635 206,185.635 ; 198.4,240.2 201.2,240.2 202.6,240.2 204.2,238.6 207.84,238.6 208.25,238.19 208.25,236.045 207.84,235.635 206,235.635 ; 220.02,13.4 220.301,13.681 220.301,16.401 221.1,17.2 221.1,26.905 ; 220.02,63.4 220.301,63.681 220.301,66.401 221.1,67.2 221.1,76.905 ; 220.02,113.4 220.301,113.681 220.301,116.401 221.1,117.2 221.1,126.905 ; 220.02,163.4 220.301,163.681 220.301,166.401 221.1,167.2 221.1,176.905 ; 220.02,213.4 220.301,213.681 220.301,216.401 221.1,217.2 221.1,226.905 ; 221.1,27.167 221.1,26.905 ; 221.1,77.167 221.1,76.905 ; 221.1,127.167 221.1,126.905 ; 221.1,177.167 221.1,176.905 ; 221.1,227.167 221.1,226.905 ; 221.7,27.505 221.375,27.505 221.2,27.33 221.2,27.005 221.1,26.905 ; 221.7,77.505 221.375,77.505 221.2,77.33 221.2,77.005 221.1,76.905 ; 221.7,127.505 221.375,127.505 221.2,127.33 221.2,127.005 221.1,126.905 ; 221.7,177.505 221.375,177.505 221.2,177.33 221.2,177.005 221.1,176.905 ; 221.7,227.505 221.375,227.505 221.2,227.33 221.2,227.005 221.1,226.905 ; 240.9,40.2 243.7,40.2 245.1,40.2 246.7,38.6 250.34,38.6 250.75,38.19 250.75,36.045 250.34,35.635 248.5,35.635 ; 240.9,90.2 243.7,90.2 245.1,90.2 246.7,88.6 250.34,88.6 250.75,88.19 250.75,86.045 250.34,85.635 248.5,85.635 ; 240.9,140.2 243.7,140.2 245.1,140.2 246.7,138.6 250.34,138.6 250.75,138.19 250.75,136.045 250.34,135.635 248.5,135.635 ; 240.9,190.2 243.7,190.2 245.1,190.2 246.7,188.6 250.34,188.6 250.75,188.19 250.75,186.045 250.34,185.635 248.5,185.635 ; 240.9,240.2 243.7,240.2 245.1,240.2 246.7,238.6 250.34,238.6 250.75,238.19 250.75,236.045 250.34,235.635 248.5,235.635 ; 262.52,13.4 262.801,13.681 262.801,16.401 263.6,17.2 263.6,26.905 ; 262.52,63.4 262.801,63.681 262.801,66.401 263.6,67.2 263.6,76.905 ; 262.52,113.4 262.801,113.681 262.801,116.401 263.6,117.2 263.6,126.905 ; 262.52,163.4 262.801,163.681 262.801,166.401 263.6,167.2 263.6,176.905 ; 262.52,213.4 262.801,213.681 262.801,216.401 263.6,217.2 263.6,226.905 ; 263.6,27.167 263.6,26.905 ; 263.6,77.167 263.6,76.905 ; 263.6,127.167 263.6,126.905 ; 263.6,177.167 263.6,176.905 ; 263.6,227.167 263.6,226.905 ; 264.2,27.505 263.875,27.505 263.7,27.33 263.7,27.005 263.6,26.905 ; 264.2,77.505 263.875,77.505 263.7,77.33 263.7,77.005 263.6,76.905 ; 264.2,127.505 263.875,127.505 263.7,127.33 263.7,127.005 263.6,126.905 ; 264.2,177.505 263.875,177.505 263.7,177.33 263.7,177.005 263.6,176.905 ; 264.2,227.505 263.875,227.505 263.7,227.33 263.7,227.005 263.6,226.905 ; 283.4,40.2 286.2,40.2 287.6,40.2 289.2,38.6 292.84,38.6 293.25,38.19 293.25,36.045 292.84,35.635 291,35.635 ; 283.4,90.2 286.2,90.2 287.6,90.2 289.2,88.6 292.84,88.6 293.25,88.19 293.25,86.045 292.84,85.635 291,85.635 ; 283.4,140.2 286.2,140.2 287.6,140.2 289.2,138.6 292.84,138.6 293.25,138.19 293.25,136.045 292.84,135.635 291,135.635 ; 283.4,190.2 286.2,190.2 287.6,190.2 289.2,188.6 292.84,188.6 293.25,188.19 293.25,186.045 292.84,185.635 291,185.635 ; 283.4,240.2 286.2,240.2 287.6,240.2 289.2,238.6 292.84,238.6 293.25,238.19 293.25,236.045 292.84,235.635 291,235.635